# Altium PCB OFFICIAL_TX.PcbDoc (part 1 of 2) (continued)
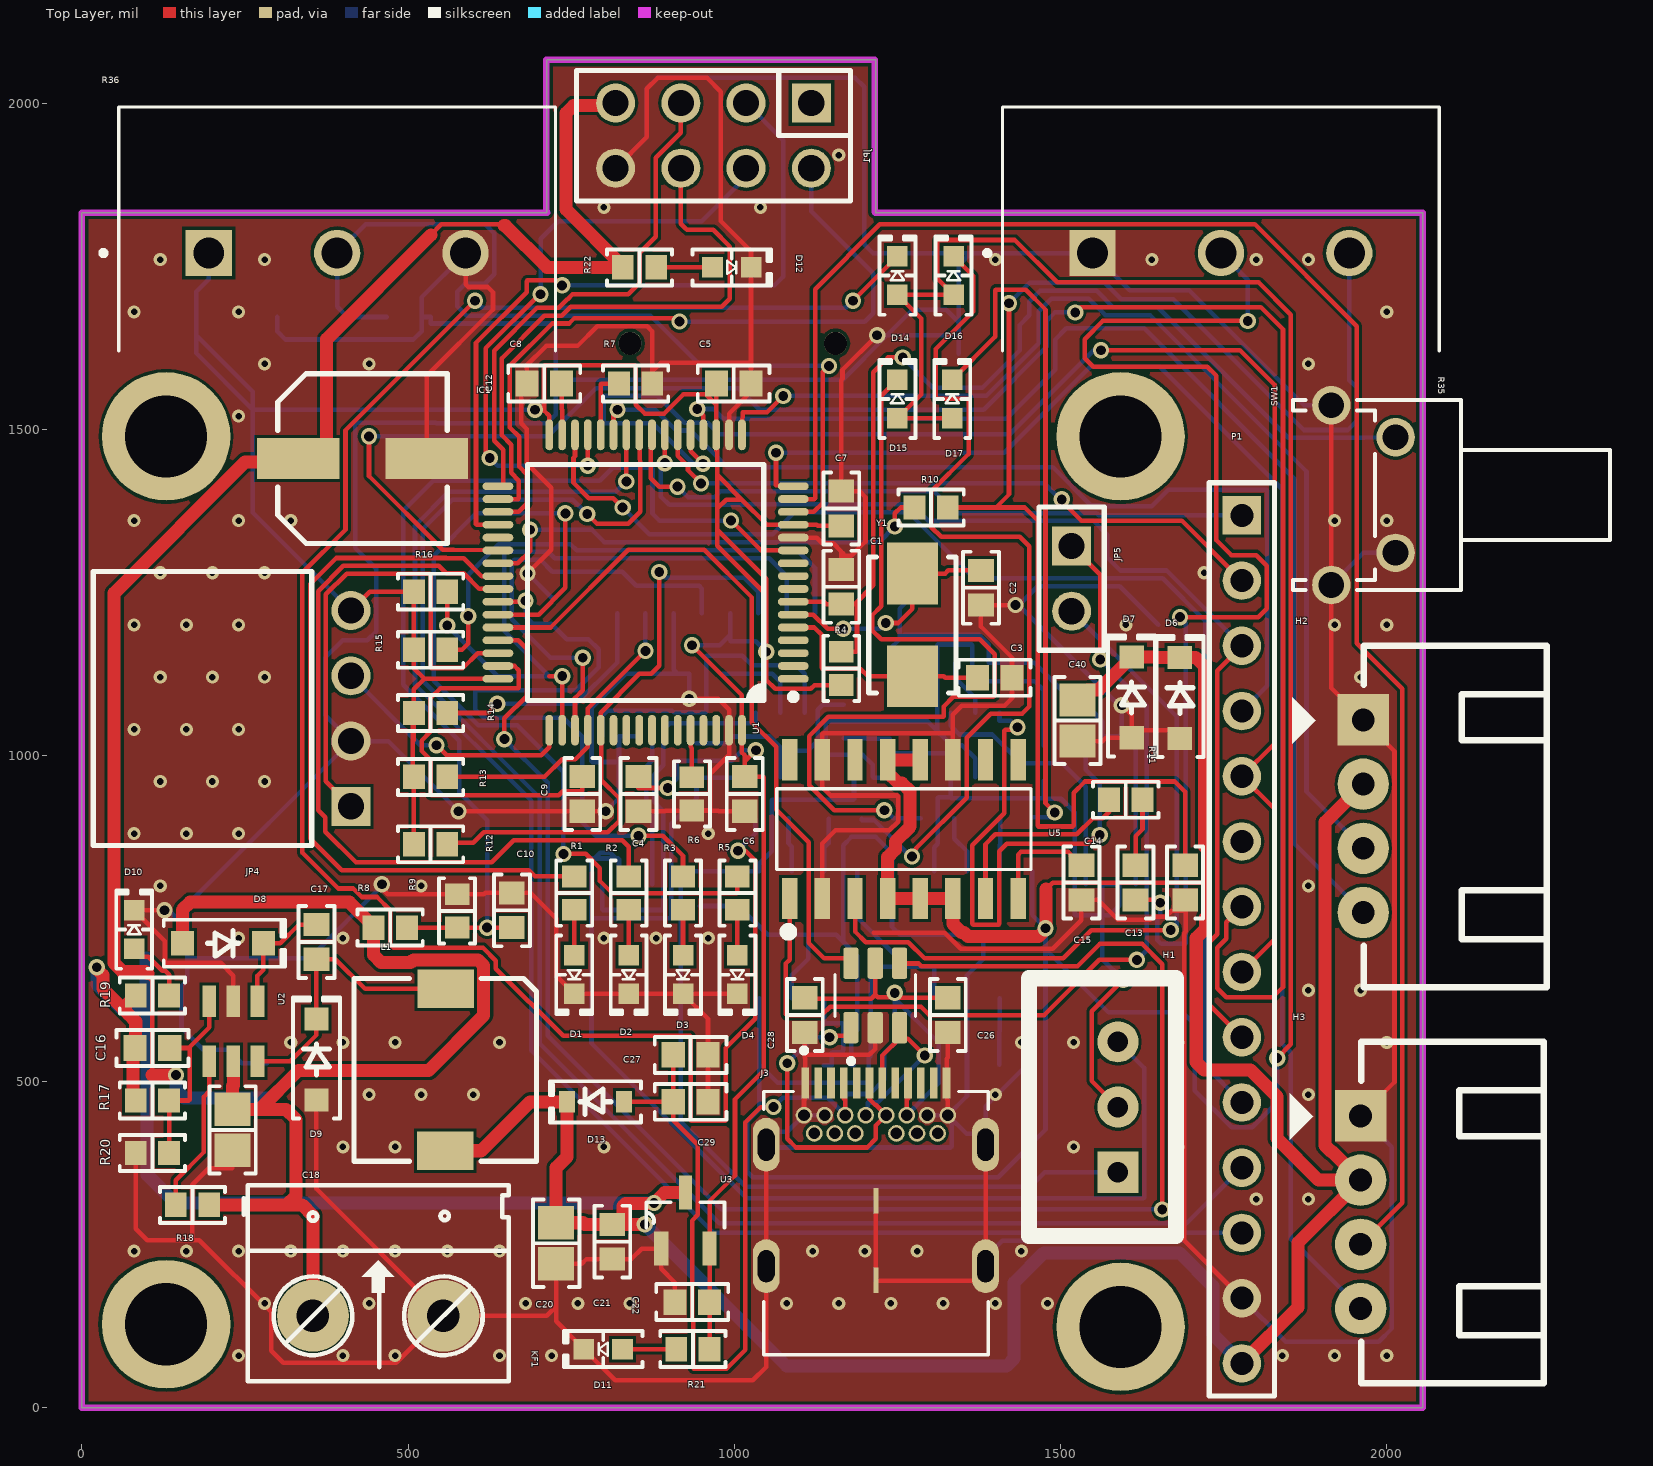
[diagram p0: Top Layer view]
## Part data (continued)
D11: library part VAOL-S6YP4, "LED YELLOW CLEAR 0603 SMD", Current - Test=10mA, Device Package="0603 (1608 Metric)", Lens Color=Colorless, Manufacturer="Visual Communications Company - VCC", Millicandela Rating=33mcd, Supplier Device Package=0603, Supplier Part Number 1=VAOL-S6YP4CT-ND, Voltage - Forward (Vf) (Typ)=1.9V, Color=Yellow, componentlink1description=Datasheet, componentlink1url=http://vcclite.com/_pdf/VAOL-S6YP4-LED-0603-yellow.pdf, componentlink2description="DigiKey Link", componentlink2url=http://digikey.com/product-detail/en/visual-communications-company-vcc/VAOL-S6YP4/VAOL-S6YP4CT-ND/5176154, Configuration=Standard, Height (Max)=0.60mm, lastupdated="6/3/2024 8:01:09 PM", Lens Size="1.20mm x 0.80mm", Lens Style="Rectangle with Flat Top", Lens Transparency=Clear, Lifecycle Status=Active, Minimum Order=1, Mounting Type="Surface Mount", Package / Case="0603 (1608 Metric)", packaging=TapeAndReel, Part Number=VAOL-S6YP4, Part Status=Active, partid=153, Price=0.09, series=-, Size / Dimension="1.60mm L x 0.80mm W", Supplier 1=DigiKey, Viewing Angle=120°, Wavelength - Dominant=591nm, Wavelength - Peak=591nm
D12: library part B18W1URO-20C000114U1930, "LED RED CLEAR 0603 SMD", Current - Test=20mA, Device Package="0603 (1608 Metric)", Lens Color=Colorless, Manufacturer="Harvatek Corporation", Millicandela Rating=360mcd, Supplier Device Package=0603, Supplier Part Number 1=3147-B18W1URO-20C000114U1930CT-ND, Voltage - Forward (Vf) (Typ)=2.1V, Color=Red, componentlink1description=Datasheet, componentlink1url=https://media.digikey.com/pdf/Data%20Sheets/Harvatek%20PDFs/B18W1URO-20C000114U1930.pdf, componentlink2description="DigiKey Link", componentlink2url=https://www.digikey.com/en/products/detail/harvatek-corporation/B18W1URO-20C000114U1930/16671735, Height (Max)=1.05mm, lastupdated="6/3/2024 7:59:44 PM", Lens Size="0.80mm Dia", Lens Style="Round with Flat Top", Lens Transparency=Clear, Lifecycle Status=Active, Minimum Order=1, Mounting Type="Surface Mount", Package / Case="0603 (1608 Metric)", packaging=TapeAndReel, Part Number=B18W1URO-20C000114U1930, Part Status=Active, partid=1174, Price=0.16, series=B18W1URO, Size / Dimension="1.60mm L x 0.80mm W", Supplier 1=DigiKey, Viewing Angle=55°, Wavelength - Dominant=630nm, Wavelength - Peak=639nm
D13: "DIODE SCHOTTKY 10V 3A SOD323", Current - Average Rectified (Io)=3A, Current - Reverse Leakage @ Vr="6 µA @ 10 V", Manufacturer=STMicroelectronics, Operating Temperature - Junction="150°C (Max)", Package / Case="SC-76, SOD-323", Supplier Device Package=SOD-323, Supplier Part Number 1=497-3707-1-ND, Voltage - DC Reverse (Vr) (Max)="10 V", Voltage - Forward (Vf) (Max) @ If="580 mV @ 1 A", componentlink1description=Datasheet, componentlink1url=http://www.st.com/content/ccc/resource/technical/document/datasheet/3d/d2/27/1d/20/e3/4d/48/CD00001944.pdf/files/CD00001944.pdf/jcr:content/translations/en.CD00001944.pdf, componentlink2description="DigiKey Link", componentlink2url=https://www.digikey.com/en/products/detail/stmicroelectronics/BAT60JFILM/686386, Diode Type=Schottky, lastupdated="6/3/2024 8:20:13 PM", Lifecycle Status=Active, Minimum Order=1, Mounting Type="Surface Mount", packaging=TapeAndReel, Part Number=BAT60JFILM, Part Status=Active, partid=3091, Price=0.04, series=-, Speed="Fast Recovery =< 500ns, > 200mA (Io)", Supplier 1=DigiKey
D14 D15: library part "LT Q39G-Q1OO-25-1", "LED GREEN DIFFUSED 0603 SMD", Current - Test=5mA, Device Package="0603 (1608 Metric)", Lens Color=White, Manufacturer="OSRAM Opto Semiconductors Inc.", Millicandela Rating=175.5mcd, Supplier Device Package=0603, Supplier Part Number 1=475-3442-1-ND, Voltage - Forward (Vf) (Typ)=2.85V, Color=Green, componentlink1description=Datasheet, componentlink1url=https://dammedia.osram.info/media/resource/hires/osram-dam-2493418/LT%20Q39G.pdf, componentlink2description="DigiKey Link", componentlink2url=https://www.digikey.com/en/products/detail/osram-opto-semiconductors-inc/LT-Q39G-Q1OO-25-1/2793416, Configuration=Standard, Height (Max)=0.40mm, lastupdated="6/3/2024 7:58:51 PM", Lens Size="1.10mm x 0.80mm", Lens Style="Rectangle with Flat Top", Lens Transparency=Diffused, Lifecycle Status=Active, Minimum Order=1, Mounting Type="Surface Mount", Package / Case="0603 (1608 Metric)", packaging=TapeAndReel, Part Number="LT Q39G-Q1OO-25-1", Part Status=Active, partid=689, Price=0.07, series="CHIPLED 0603", Size / Dimension="1.60mm L x 0.80mm W", Supplier 1=DigiKey, Viewing Angle="170°, 130°", Wavelength - Dominant=530nm, Wavelength - Peak=525nm
D16 D17: library part SML-D13U8WT86, "LED RED 0603 SMD", Current - Test=20mA, Device Package="0603 (1608 Metric)", Manufacturer="Rohm Semiconductor", Millicandela Rating=70mcd, Supplier Device Package=0603, Supplier Part Number 1=846-SML-D13U8WT86CT-ND, Voltage - Forward (Vf) (Typ)=2.2V, Color=Red, componentlink1description=Datasheet, componentlink1url=https://fscdn.rohm.com/en/products/databook/datasheet/opto/led/chip_mono/sml-d12x8_d13x8-e.pdf, componentlink2description="DigiKey Link", componentlink2url=https://www.digikey.com/en/products/detail/rohm-semiconductor/SML-D13U8WT86/16285870, Height (Max)=0.65mm, lastupdated="6/3/2024 7:59:44 PM", Lens Size="1.20mm x 0.80mm", Lens Style="Rectangle with Flat Top", Lifecycle Status=Active, Minimum Order=1, Mounting Type="Surface Mount", Package / Case="0603 (1608 Metric)", packaging=TapeAndReel, Part Number=SML-D13U8WT86, Part Status=Active, partid=1127, Price=0.10, series=SML-D12x8/D13x8, Size / Dimension="1.60mm L x 0.80mm W", Supplier 1=DigiKey, Wavelength - Dominant=620nm
H1 H2 H3 KF1: "Cắm", Chung_Loai=Cắm, Don_Vi=Con
  H1: Ma_Hang=MH001292, Ten_Linh_Kien="Header 3P XH2.54-3P Đực Thẳng"
  H2 H3: Ma_Hang=MH001310, Ten_Linh_Kien="Header 4P XH2.54-4P Đực Cong"
  KF1: Ma_Hang=MH000987, Ten_Linh_Kien="CON 2 KF301-2P 5.08MM Xanh Dương"
IC1: "IC MCU 32BIT 1MB FLASH 64LQFP", Device Package=64-LQFP, Manufacturer=STMicroelectronics, Operating Temperature="-40°C ~ 85°C (TA)", Supplier Device Package="64-LQFP (10x10)", Supplier Part Number 1=497-11767-ND, Voltage - Supply (Vcc/Vdd)="1.8V ~ 3.6V", componentlink1description=Datasheet, componentlink1url=http://www.st.com/content/ccc/resource/technical/document/datasheet/ef/92/76/6d/bb/c2/4f/f7/DM00037051.pdf/files/DM00037051.pdf/jcr:content/translations/en.DM00037051.pdf, componentlink2description="DigiKey Link", componentlink2url=//digikey.com/product-detail/en/stmicroelectronics/STM32F405RGT6/497-11767-ND/2754208, Connectivity="CANbus, I²C, IrDA, LINbus, SPI, UART/USART, USB OTG", Core Processor="ARM® Cortex®-M4", Core Size=32-Bit, Data Converters="A/D 16x12b; D/A 2x12b", lastupdated="12/5/2019 11:44:20 PM", Lifecycle Status=0, Minimum Order=1, Mounting Type="Surface Mount", Number of I/O=51, Oscillator Type=Internal, Package / Case=64-LQFP, packaging=Tray, Part Number=STM32F405RGT6, Part Status=Active, partid=115, Peripherals="Brown-out Detect/Reset, DMA, I²S, LCD, POR, PWM, WDT", Price=10.30, Program Memory Size="1MB (1M x 8)", Program Memory Type=FLASH, RAM Size="192K x 8", series=STM32F4, Speed=168MHz, Supplier 1=DigiKey
J3: "USB Type-C Connector", Package=None, Availability=Warning, DigiKey-Purchase-URL=https://snapeda.com/shop?store=DigiKey&id=4629247, MF="Stewart Connector", Mouser-Purchase-URL=https://snapeda.com/shop?store=Mouser&id=4629247, MP=SS-52400-002, Price=None, SnapEDA_Link=https://www.snapeda.com/parts/SS-52400-002/Stewart%20Connector/view-part/4629247/?ref=snap
JP1: library part "JP 2x4 2.54 Cai Thang", "Cắm", Chung_Loai=Cắm, Don_Vi=Con, Ma_Hang=MH008647, Ten_Linh_Kien="Jump Đôi Cái 2.54MM 2x20P Thẳng"
JP4: library part "JP 1x4 2.54 Cai Cong", "Cắm", Chung_Loai=Cắm, Don_Vi=Con, Ma_Hang=MH001265, Ten_Linh_Kien="Jump Đơn Cái 2.54MM 1x40P Cong"
JP5: library part "JP 1x2 2.54 Cai Thang", "Cắm", Chung_Loai=Cắm, Don_Vi=Con, Ma_Hang=MH004006, Ten_Linh_Kien="Jump Đơn Cái 2.54MM 1x20P Thẳng"
L1: library part SLF7032T-100M1R4-2PF, "FIXED IND 10UH 1.4A 63.6 MOHM", Current Rating (Amps)=1.4A, DC Resistance (DCR)="63.6mOhm Max", Device Package=Nonstandard, Inductance Frequency - Test=100kHz, Manufacturer="TDK Corporation", Operating Temperature="-40°C ~ 105°C", Supplier Part Number 1=445-1998-1-ND, Tolerance=±20%, componentlink1description=Datasheet, componentlink1url=//media.digikey.com/pdf/Data%20Sheets/TDK%20PDFs/SLF7032_Type.pdf, componentlink2description="DigiKey Link", componentlink2url=http://digikey.com/product-detail/en/tdk-corporation/SLF7032T-100M1R4-2PF/445-1998-1-ND/755405, Height - Seated (Max)="0.134\" (3.40mm)", Inductance=10µH, lastupdated="9/2/2020 1:30:24 AM", Lifecycle Status=Active, Material - Core=Ferrite, Minimum Order=1, Mounting Type="Surface Mount", Package / Case=Nonstandard, packaging=TapeAndReel, Part Number=SLF7032T-100M1R4-2PF, Part Status=Active, partid=3677, Price=0.43, series=SLF, Shielding=Shielded, Size / Dimension="0.276\" L x 0.276\" W (7.00mm x 7.00mm)", Supplier 1=DigiKey, Type=Wirewound
P1: "Header, 14-Pin", LatestRevisionDate=17-Jul-2002, LatestRevisionNote="Re-released for DXP Platform.", Publisher="Altium Limited"
P2: "Micro SD Card Socket", Package=None, Availability=Unavailable, MP=ST-TF-003A, Price=None
Q1 Q2: "N/A", Package=Package, Availability="Not in stock", Check_prices=https://www.snapeda.com/parts/FS8205A/Fortune+Semiconductor/view-part/?ref=eda, MF="Fortune Semiconductor", MP=FS8205A, Price=None, SnapEDA_Link=https://www.snapeda.com/parts/FS8205A/Fortune+Semiconductor/view-part/?ref=snap
R1 R2 R3 R5: library part RGT1608P-684-B-T5, "RES 680 KOHM 0.1% 1/16W 0603", Device Package="0603 (1608 Metric)", Manufacturer=Susumu, Operating Temperature="-55°C ~ 175°C", Power (Watts)="0.063W, 1/16W", Ratings=AEC-Q200, Supplier Device Package=0603, Supplier Part Number 1=408-RGT1608P-684-B-T5CT-ND, Temperature Coefficient=±25ppm/°C, Tolerance=±0.1%, componentlink1description=Datasheet, componentlink1url=https://www.susumu.co.jp/common/pdf/n_catalog_partition38_en.pdf, componentlink2description="DigiKey Link", componentlink2url=https://www.digikey.com/en/products/detail/susumu/RGT1608P-684-B-T5/9918331, Composition="Thin Film", Features="Anti-Sulfur, Automotive AEC-Q200", Height - Seated (Max)="0.022\" (0.55mm)", lastupdated="2/9/2024 8:40:32 PM", Lifecycle Status=Active, Minimum Order=1, Number of Terminations=2, Package / Case="0603 (1608 Metric)", packaging=TapeAndReel, Part Number=RGT1608P-684-B-T5, partid=82080, Price=0.12, Resistance="680 kOhms", series=RGT, Size / Dimension="0.063\" L x 0.031\" W (1.60mm x 0.80mm)", Supplier 1=DigiKey
R4: library part MCT06030E1003BP100, "RES SMD 100K OHM 0.1% 1/10W 0603", Device Package="0603 (1608 Metric)", Manufacturer="Vishay Beyschlag", Operating Temperature="-55°C ~ 125°C", Power (Watts)="0.1W, 1/10W", Supplier Device Package=0603, Supplier Part Number 1=749-MCT06030E1003BP100CT-ND, Temperature Coefficient=±15ppm/°C, Tolerance=±0.1%, componentlink1description=Datasheet, componentlink1url=http://www.vishay.com/docs/28700/mcx0x0xpre.pdf, componentlink2description="DigiKey Link", componentlink2url=http://digikey.com/product-detail/en/vishay-beyschlag/MCT06030E1003BP100/749-MCT06030E1003BP100CT-ND/10453897, Composition="Thin Film", Features=Anti-Sulfur, Height - Seated (Max)="0.022\" (0.55mm)", lastupdated="2/9/2024 8:43:09 PM", Lifecycle Status=Active, Minimum Order=1, Number of Terminations=2, Package / Case="0603 (1608 Metric)", packaging=TapeAndReel, Part Number=MCT06030E1003BP100, Part Status=Active, partid=11916, Price=0.26, Resistance="100 kOhms", series="MCT - Precision", Size / Dimension="0.061\" L x 0.033\" W (1.55mm x 0.85mm)", Supplier 1=DigiKey
R6 R7 R8: library part MCT0603MD1002DP500, "RES SMD 10K OHM 0.5% 0.15W 0603", Device Package="0603 (1608 Metric)", Manufacturer="Vishay Beyschlag", Operating Temperature="-55°C ~ 175°C", Power (Watts)=0.15W, Ratings=AEC-Q200, Supplier Device Package=0603, Supplier Part Number 1=MCT0603-10K-MDCT-ND, Temperature Coefficient=±25ppm/°C, Tolerance=±0.5%, componentlink1description=Datasheet, componentlink1url=http://www.vishay.com/docs/28760/mcat_pro.pdf, componentlink2description="DigiKey Link", componentlink2url=http://digikey.com/product-detail/en/vishay-beyschlag/MCT0603MD1002DP500/MCT0603-10K-MDCT-ND/2092127, Composition="Thin Film", Features="Anti-Sulfur, Automotive AEC-Q200", Height - Seated (Max)="0.022\" (0.55mm)", lastupdated="2/9/2024 8:42:58 PM", Lifecycle Status=Active, Minimum Order=1, Number of Terminations=2, Package / Case="0603 (1608 Metric)", packaging=TapeAndReel, Part Number=MCT0603MD1002DP500, Part Status=Active, partid=14581, Price=0.04, Resistance="10 kOhms", series="MCT AT - Professional", Size / Dimension="0.061\" L x 0.033\" W (1.55mm x 0.85mm)", Supplier 1=DigiKey
R9: library part RG1608P-203-B-T5, "RES SMD 20K OHM 0.1% 1/10W 0603", Device Package="0603 (1608 Metric)", Manufacturer=Susumu, Operating Temperature="-55°C ~ 155°C", Power (Watts)="0.1W, 1/10W", Ratings=AEC-Q200, Supplier Device Package=0603, Supplier Part Number 1=RG16P20.0KBCT-ND, Temperature Coefficient=±25ppm/°C, Tolerance=±0.1%, componentlink1description=Datasheet, componentlink1url=//media.digikey.com/pdf/Data%20Sheets/Susumu%20PDFs/RG_RM_RGH_Oct2012.pdf, componentlink2description="DigiKey Link", componentlink2url=https://www.digikey.com/en/products/detail/susumu/RG1608P-203-B-T5/1240507, Composition="Thin Film", Features="Anti-Sulfur, Automotive AEC-Q200", Height - Seated (Max)="0.020\" (0.50mm)", lastupdated="2/9/2024 8:43:15 PM", Lifecycle Status=Active, Minimum Order=1, Number of Terminations=2, Package / Case="0603 (1608 Metric)", packaging=TapeAndReel, Part Number=RG1608P-203-B-T5, Part Status=Active, partid=10176, Price=0.05, Resistance="20 kOhms", series=RG, Size / Dimension="0.063\" L x 0.031\" W (1.60mm x 0.80mm)", Supplier 1=DigiKey
R10: library part ERA-3ARB472V, "RES SMD 4.7K OHM 0.1% 1/10W 0603", Device Package="0603 (1608 Metric)", Manufacturer="Panasonic Electronic Components", Operating Temperature="-55°C ~ 155°C", Power (Watts)="0.1W, 1/10W", Ratings=AEC-Q200, Supplier Device Package=0603, Supplier Part Number 1=P4.7KBDCT-ND, Temperature Coefficient=±10ppm/°C, Tolerance=±0.1%, componentlink1description=Datasheet, componentlink1url=https://industrial.panasonic.com/cdbs/www-data/pdf/RDM0000/AOA0000C307.pdf, componentlink2description="DigiKey Link", componentlink2url=https://www.digikey.com/en/products/detail/panasonic-electronic-components/ERA-3ARB472V/3073667, Composition="Thin Film", Features="Automotive AEC-Q200", Height - Seated (Max)="0.022\" (0.55mm)", lastupdated="2/9/2024 8:42:34 PM", Lifecycle Status=Active, Minimum Order=1, Number of Terminations=2, Package / Case="0603 (1608 Metric)", packaging=TapeAndReel, Part Number=ERA-3ARB472V, Part Status=Active, partid=20792, Price=0.15, Resistance="4.7 kOhms", series=ERA-3A, Size / Dimension="0.063\" L x 0.031\" W (1.60mm x 0.80mm)", Supplier 1=DigiKey
R11: library part MCT06030E1002BP100, "RES SMD 10K OHM 0.1% 1/10W 0603", Device Package="0603 (1608 Metric)", Manufacturer="Vishay Beyschlag", Operating Temperature="-55°C ~ 125°C", Power (Watts)="0.1W, 1/10W", Supplier Device Package=0603, Supplier Part Number 1=749-1718-1-ND, Temperature Coefficient=±15ppm/°C, Tolerance=±0.1%, componentlink1description=Datasheet, componentlink1url=http://www.vishay.com/docs/28700/mcx0x0xpre.pdf, componentlink2description="DigiKey Link", componentlink2url=http://digikey.com/product-detail/en/vishay-beyschlag/MCT06030E1002BP100/749-1718-1-ND/7348026, Composition="Thin Film", Features=Anti-Sulfur, Height - Seated (Max)="0.022\" (0.55mm)", lastupdated="2/9/2024 8:42:57 PM", Lifecycle Status=Active, Minimum Order=1, Number of Terminations=2, Package / Case="0603 (1608 Metric)", packaging=TapeAndReel, Part Number=MCT06030E1002BP100, Part Status=Active, partid=15019, Price=0.26, Resistance="10 kOhms", series="MCT - Precision", Size / Dimension="0.061\" L x 0.033\" W (1.55mm x 0.85mm)", Supplier 1=DigiKey
R12 R13 R14 R15 R16: library part URG1608L-472-L-T05, "RES SMD 4.7KOHM 0.01% 1/16W 0603", Device Package="0603 (1608 Metric)", Manufacturer=Susumu, Operating Temperature="-55°C ~ 155°C", Power (Watts)="0.063W, 1/16W", Ratings=AEC-Q200, Supplier Device Package=0603, Supplier Part Number 1=408-1772-1-ND, Temperature Coefficient=±2ppm/°C, Tolerance=±0.01%, componentlink1description=Datasheet, componentlink1url=http://www.susumu.co.jp/common/pdf/n_catalog_partition03_en.pdf, componentlink2description="DigiKey Link", componentlink2url=https://www.digikey.com/en/products/detail/susumu/URG1608L-472-L-T05/4552652, Composition="Thin Film", Features="Anti-Sulfur, Automotive AEC-Q200", Height - Seated (Max)="0.022\" (0.55mm)", lastupdated="2/9/2024 8:43:04 PM", Lifecycle Status=Active, Minimum Order=1, Number of Terminations=2, Package / Case="0603 (1608 Metric)", packaging=TapeAndReel, Part Number=URG1608L-472-L-T05, Part Status=Active, partid=13142, Price=4.24, Resistance="4.7 kOhms", series=URG, Size / Dimension="0.063\" L x 0.031\" W (1.60mm x 0.80mm)", Supplier 1=DigiKey
R17: library part RMEF0603FT52K3, "RES 52.3K OHM 1% 1/10W 0603", Device Package="0603 (1608 Metric)", Manufacturer="Stackpole Electronics Inc", Operating Temperature="-55°C ~ 155°C", Power (Watts)="0.1W, 1/10W", Ratings="7C1 RoHS w/out Exemption (100% Pb-Free), AEC-Q200", Supplier Device Package=0603, Supplier Part Number 1=738-RMEF0603FT52K3CT-ND, Temperature Coefficient=±100ppm/°C, Tolerance=±1%, componentlink1description=Datasheet, componentlink1url=https://www.seielect.com/Catalog/SEI-RMEF.pdf, componentlink2description="DigiKey Link", componentlink2url=https://www.digikey.com/en/products/detail/stackpole-electronics-inc/RMEF0603FT52K3/16839815, Composition="Thick Film", Features="Automotive AEC-Q200", Height - Seated (Max)="0.020\" (0.50mm)", lastupdated="2/9/2024 8:41:04 PM", Lifecycle Status=Active, Minimum Order=1, Number of Terminations=2, Package / Case="0603 (1608 Metric)", packaging=TapeAndReel, Part Number=RMEF0603FT52K3, Part Status=Active, partid=69499, Price=0.01, Resistance="52.3 kOhms", series=RMEF, Size / Dimension="0.063\" L x 0.031\" W (1.60mm x 0.80mm)", Supplier 1=DigiKey
R18: library part TNPW0603100KBXEN, "RES 100K OHM 0.1% 1/10W 0603", Device Package="0603 (1608 Metric)", Manufacturer="Vishay Dale", Operating Temperature="-55°C ~ 155°C", Power (Watts)="0.1W, 1/10W", Ratings=AEC-Q200, Supplier Device Package=0603, Supplier Part Number 1=541-1721-1-ND, Temperature Coefficient=±15ppm/°C, Tolerance=±0.1%, componentlink1description=Datasheet, componentlink1url=http://www.vishay.com/docs/28758/tnpw_e3.pdf, componentlink2description="DigiKey Link", componentlink2url=https://www.digikey.com/en/products/detail/vishay-dale/TNPW0603100KBXEN/4155839, Composition="Thin Film", Features="Anti-Sulfur, Automotive AEC-Q200, Moisture Resistant", Height - Seated (Max)="0.022\" (0.55mm)", lastupdated="2/9/2024 8:42:03 PM", Lifecycle Status=Active, Minimum Order=1, Number of Terminations=2, Package / Case="0603 (1608 Metric)", packaging=TapeAndReel, Part Number=TNPW0603100KBXEN, Part Status=Active, partid=25339, Price=0.31, Resistance="100 kOhms", series="TNPW e3", Size / Dimension="0.063\" L x 0.033\" W (1.60mm x 0.85mm)", Supplier 1=DigiKey
R19: library part RG1608V-102-B-T5, "RES SMD 1K OHM 0.1% 1/10W 0603", Device Package="0603 (1608 Metric)", Manufacturer=Susumu, Operating Temperature="-55°C ~ 155°C", Power (Watts)="0.1W, 1/10W", Ratings=AEC-Q200, Supplier Device Package=0603, Supplier Part Number 1=408-RG1608V-102-B-T5CT-ND, Temperature Coefficient=±5ppm/°C, Tolerance=±0.1%, componentlink1description=Datasheet, componentlink1url=https://www.susumu.co.jp/common/pdf/n_catalog_partition01_en.pdf, componentlink2description="DigiKey Link", componentlink2url=https://www.digikey.com/en/products/detail/susumu/RG1608V-102-B-T5/1258937, Composition="Thin Film", Features="Anti-Sulfur, Automotive AEC-Q200", Height - Seated (Max)="0.020\" (0.50mm)", lastupdated="2/9/2024 8:40:32 PM", Lifecycle Status=Active, Minimum Order=1, Number of Terminations=2, Package / Case="0603 (1608 Metric)", packaging=TapeAndReel, Part Number=RG1608V-102-B-T5, partid=82062, Price=0.78, Resistance="1 kOhms", series=RG, Size / Dimension="0.063\" L x 0.031\" W (1.60mm x 0.80mm)", Supplier 1=DigiKey
R20: library part CPF-A-0603B10KE1, "RES SMD 10K OHM 0.1% 1/16W 0603", Device Package="0603 (1608 Metric)", Manufacturer="TE Connectivity Passive Product", Operating Temperature="-55°C ~ 155°C", Power (Watts)="0.063W, 1/16W", Ratings=AEC-Q200, Supplier Device Package=0603, Supplier Part Number 1=1712-CPF-A-0603B10KE1CT-ND, Temperature Coefficient=±25ppm/°C, Tolerance=±0.1%, componentlink1description=Datasheet, componentlink1url=https://www.te.com/commerce/DocumentDelivery/DDEController?Action=srchrtrv&DocNm=1773200-1&DocType=DS&DocLang=English, componentlink2description="DigiKey Link", componentlink2url=https://www.digikey.com/en/products/detail/te-connectivity-passive-product/CPF-A-0603B10KE1/5586834, Composition="Thin Film", Features="Anti-Sulfur, Automotive AEC-Q200, Moisture Resistant", Height - Seated (Max)="0.022\" (0.55mm)", lastupdated="2/9/2024 8:40:47 PM", Lifecycle Status=Active, Minimum Order=1, Number of Terminations=2, Package / Case="0603 (1608 Metric)", packaging=TapeAndReel, Part Number=CPF-A-0603B10KE1, Part Status=Active, partid=75468, Price=0.12, Resistance="10 kOhms", series="CPF-A, Neohm", Size / Dimension="0.061\" L x 0.031\" W (1.55mm x 0.80mm)", Supplier 1=DigiKey
R21 R22: library part CPF-A-0603B680RE, "RES SMD 680 OHM 0.1% 1/16W 0603", Device Package="0603 (1608 Metric)", Manufacturer="TE Connectivity Passive Product", Operating Temperature="-55°C ~ 155°C", Power (Watts)="0.063W, 1/16W", Ratings=AEC-Q200, Supplier Device Package=0603, Supplier Part Number 1=1712-CPF-A-0603B680RECT-ND, Temperature Coefficient=±25ppm/°C, Tolerance=±0.1%, componentlink1description=Datasheet, componentlink1url=https://www.te.com/commerce/DocumentDelivery/DDEController?Action=srchrtrv&DocNm=1773200-1&DocType=DS&DocLang=English, componentlink2description="DigiKey Link", componentlink2url=https://www.digikey.com/en/products/detail/te-connectivity-passive-product/CPF-A-0603B680RE/5583848, Composition="Thin Film", Features="Anti-Sulfur, Automotive AEC-Q200, Moisture Resistant", Height - Seated (Max)="0.022\" (0.55mm)", lastupdated="2/9/2024 8:42:04 PM", Lifecycle Status=Active, Minimum Order=1, Number of Terminations=2, Package / Case="0603 (1608 Metric)", packaging=TapeAndReel, Part Number=CPF-A-0603B680RE, Part Status=Active, partid=25303, Price=0.09, Resistance="680 Ohms", series="CPF-A, Neohm", Size / Dimension="0.061\" L x 0.031\" W (1.55mm x 0.80mm)", Supplier 1=DigiKey
R23: library part ERJ-2RKF1201X, "RES SMD 1.2K OHM 1% 1/10W 0402", Device Package="0402 (1005 Metric)", Manufacturer="Panasonic Electronic Components", Operating Temperature="-55°C ~ 155°C", Power (Watts)="0.1W, 1/10W", Ratings=AEC-Q200, Supplier Device Package=0402, Supplier Part Number 1=P1.20KLCT-ND, Temperature Coefficient=±100ppm/°C, Tolerance=±1%, componentlink1description=Datasheet, componentlink1url=https://industrial.panasonic.com/cdbs/www-data/pdf/RDA0000/AOA0000C304.pdf, componentlink2description="DigiKey Link", componentlink2url=https://www.digikey.com/en/products/detail/panasonic-electronic-components/ERJ-2RKF1201X/1746119, Composition="Thick Film", Features="Automotive AEC-Q200", Height - Seated (Max)="0.016\" (0.40mm)", lastupdated="2/9/2024 8:30:04 PM", Lifecycle Status=Active, Minimum Order=1, Number of Terminations=2, Package / Case="0402 (1005 Metric)", packaging=CutTape, Part Number=ERJ-2RKF1201X, Part Status=Active, partid=7242, Price=0.01, Resistance="1.2 kOhms", series=ERJ-2RK, Size / Dimension="0.039\" L x 0.020\" W (1.00mm x 0.50mm)", Supplier 1=DigiKey
R24: library part MCS04020C1201FE000, "RES SMD 1.2K OHM 1% 1/10W 0402", Device Package="0402 (1005 Metric)", Manufacturer="Vishay Beyschlag", Operating Temperature="-55°C ~ 155°C", Power (Watts)="0.1W, 1/10W", Supplier Device Package=0402, Supplier Part Number 1=749-MCS04020C1201FE000CT-ND, Temperature Coefficient=±50ppm/°C, Tolerance=±1%, componentlink1description=Datasheet, componentlink1url=http://www.vishay.com/docs/28705/mcx0x0xpro.pdf, componentlink2description="DigiKey Link", componentlink2url=http://digikey.com/product-detail/en/vishay-beyschlag/MCS04020C1201FE000/749-MCS04020C1201FE000CT-ND/10453885, Composition="Thin Film", Features=Anti-Sulfur, Height - Seated (Max)="0.015\" (0.37mm)", lastupdated="2/9/2024 8:30:06 PM", Lifecycle Status=Active, Minimum Order=1, Number of Terminations=2, Package / Case="0402 (1005 Metric)", packaging=TapeAndReel, Part Number=MCS04020C1201FE000, Part Status=Active, partid=6712, Price=0.03, Resistance="1.2 kOhms", series="MCS - Professional", Size / Dimension="0.039\" L x 0.020\" W (1.00mm x 0.50mm)", Supplier 1=DigiKey
R25 R26 R29 R30 R31 R32: library part M55342E12B1B00RWS, "RES SMD 1K OHM 0.1% 1/10W 0603", Device Package="0603 (1608 Metric)", Manufacturer="Vishay Dale Thin Film", Operating Temperature="-55°C ~ 150°C", Power (Watts)="0.1W, 1/10W", Supplier Device Package=0603, Supplier Part Number 1=764-M55342E12B1B00RWS-ND, Temperature Coefficient=±25ppm/°C, Tolerance=±0.1%, componentlink1description=Datasheet, componentlink1url=https://www.vishay.com/docs/60018/eh.pdf, componentlink2description="DigiKey Link", componentlink2url=https://www.digikey.com/en/products/detail/vishay-dale-thin-film/M55342E12B1B00RWS/3578912, Composition="Thin Film", Failure Rate="R (0.01%)", Features="Military, Non-Inductive", Height - Seated (Max)="0.033\" (0.84mm)", lastupdated="2/9/2024 8:40:47 PM", Lifecycle Status=Active, Minimum Order=1, Number of Terminations=2, Package / Case="0603 (1608 Metric)", packaging=Tray, Part Number=M55342E12B1B00RWS, Part Status=Active, partid=75435, Price=8.97, Resistance="1 kOhms", series="Military, MIL-PRF-55342, RM0603", Size / Dimension="0.064\" L x 0.032\" W (1.63mm x 0.81mm)", Supplier 1=DigiKey
R27 R28: library part ERJ-PA3F1100V, "RES SMD 110 OHM 1% 1/3W 0603", Device Package="0603 (1608 Metric)", Manufacturer="Panasonic Electronic Components", Operating Temperature="-55°C ~ 155°C", Power (Watts)="0.333W, 1/3W", Ratings=AEC-Q200, Supplier Device Package=0603, Supplier Part Number 1=P110BYCT-ND, Temperature Coefficient=±100ppm/°C, Tolerance=±1%, componentlink1description=Datasheet, componentlink1url=https://industrial.panasonic.com/cdbs/www-data/pdf/RDO0000/AOA0000C331.pdf, componentlink2description="DigiKey Link", componentlink2url=https://www.digikey.com/en/products/detail/panasonic-electronic-components/ERJ-PA3F1100V/5035853, Composition="Thick Film", Features="Automotive AEC-Q200, Pulse Withstanding", Height - Seated (Max)="0.022\" (0.55mm)", lastupdated="2/9/2024 8:43:28 PM", Lifecycle Status=Active, Minimum Order=1, Number of Terminations=2, Package / Case="0603 (1608 Metric)", packaging=TapeAndReel, Part Number=ERJ-PA3F1100V, Part Status=Active, partid=7062, Price=0.01, Resistance="110 Ohms", series=ERJ-PA3, Size / Dimension="0.063\" L x 0.031\" W (1.60mm x 0.80mm)", Supplier 1=DigiKey
R35 R36: Package=None, Availability=Unavailable, MF="{'manufacturer': u'CUI Devices'}", MP=PTN16-A10115K1B1, Price=None
SW1: "WS-TATU THT Tact Switch 6x6mm Right Angled Type with ground terminal, SPST-NO, 12VDC, 50mA, 160g", Manufacturer="Wurth Elektronik", Operating Temperature Max=85°C, Operating Temperature Min=-40°C, Rated Current=50mA, Rated Voltage=12VDC, Category="Tact Switches", Circuit=SPST-NO, componentlink1description="Website Link", componentlink1url=https://www.we-online.com/redexpert/article/431256083716?ad, componentlink2description="Datasheet Link", componentlink2url=https://www.we-online.com/redexpert/spec/431256083716?ad, Contact Material="Stainless Steel", Contact Plating=Silver, Height=8.35mm, Length=6mm, Manufacturer Part Number=431256083716, Match Code=WS-TATU, Mount="Through Hole", Operation Force=160g, packaging=Bulk, Terminal Material="Copper Alloy", Terminal Plating=Silver, Washable=No, Width=6mm
U1: "Amplifier IC 2-Channel _Stereo_ Class D 16-SOP", Package="SOP-16 Diodes Inc.", Availability=Unavailable, MF="Diodes Inc.", MP=PAM8403DR, Price=None, SnapEDA_Link=https://www.snapeda.com/parts/PAM8403DR/Diodes%20Inc./view-part/108087/?ref=snap
U2: "Buck Switching Regulator IC Positive Adjustable 0.8V 1 Output 1A SOT-23-6 Thin, TSOT-23-6", Package="SOT-23 Texas Instruments", Availability=Unavailable, MF="Texas Instruments", MP=LM2734YMK, Price=None, SnapEDA_Link=https://www.snapeda.com/parts/LM2734YMK/Texas%20Instruments/view-part/105783/?ref=snap
U3 U4: "Linear Voltage Regulator IC 1 Output 250mA SOT-23-3", Package="SOT-23-3 Microchip", Availability=Unavailable, MF=Microchip, MP=MCP1700T-3302E/TT, Price=None, SnapEDA_Link=https://www.snapeda.com/parts/MCP1700T-3302E/TT/Microchip/view-part/50877/?ref=snap
U5: "17V Clamp 5A (8/20Âµs) Ipp Tvs Diode Surface Mount SOT-23-6", Package="SOT-23-6 STMicroelectronics", Check_prices=https://www.snapeda.com/parts/USBLC6-2SC6/STMicroelectronics/view-part/?ref=eda, MF=STMicroelectronics, MP=USBLC6-2SC6, SnapEDA_Link=https://www.snapeda.com/parts/USBLC6-2SC6/STMicroelectronics/view-part/?ref=snap
U6 U7: "Complete single cell Li-Ion battery with a constant current / constant voltage linear charger", Package=Package, Availability="Not in stock", Check_prices=https://www.snapeda.com/parts/TP4056/NanJing+Top+Power+ASIC+Corp./view-part/?ref=eda, MF="NanJing Top Power ASIC Corp.", MP=TP4056, Price=None, SnapEDA_Link=https://www.snapeda.com/parts/TP4056/NanJing+Top+Power+ASIC+Corp./view-part/?ref=snap
U8 U9: "One Cell Lithium-ion/Polymer Battery Protection IC", Package="SOT-23-6 Fortune Semiconductor", Check_prices=https://www.snapeda.com/parts/DW01A/Fortune+Semiconductor/view-part/?ref=eda, MF="Fortune Semiconductor", MP=DW01A, SnapEDA_Link=https://www.snapeda.com/parts/DW01A/Fortune+Semiconductor/view-part/?ref=snap
Y1: library part NX5032GA-8.000M-STD-CSU-1, "CRYSTAL 8.0000MHZ 8PF SMD", ESR (Equivalent Series Resistance)="300 Ohms", Frequency Stability=±150ppm, Frequency Tolerance=±50ppm, Load Capacitance=8pF, Manufacturer="NDK America, Inc.", Operating Mode=Fundamental, Operating Temperature="-40°C ~ 150°C", Package / Case="2-SMD, No Lead", Ratings=AEC-Q200, Supplier Part Number 1=644-1132-1-ND, componentlink1description=Datasheet, componentlink1url=//media.digikey.com/pdf/Data%20Sheets/NDK%20PDFs/NX5032GA_STD-CSU-1,-2.pdf, componentlink2description="DigiKey Link", componentlink2url=https://www.digikey.com/en/products/detail/ndk-america-inc/NX5032GA-8-000M-STD-CSU-1/1788472, Frequency="8 MHz", Height - Seated (Max)="0.059\" (1.50mm)", lastupdated="6/3/2024 8:02:22 PM", Lifecycle Status=Active, Minimum Order=1, Mounting Type="Surface Mount", packaging=TapeAndReel, Part Number=NX5032GA-8.000M-STD-CSU-1, Part Status=Active, partid=627, Price=0.32, series=NX5032GA, Size / Dimension="0.197\" L x 0.126\" W (5.00mm x 3.20mm)", Supplier 1=DigiKey, Type="MHz Crystal"

## Free pads (board coordinates)
  round 196.85 hole 125.98: 8(129,128) 8(129,1489) 8(1592,124) 8(1592,1489)

## Via types
v1: diameter 20, hole 10, Top Layer to Bottom Layer, 106 vias
v2: diameter 25, hole 15, Top Layer to Bottom Layer, 84 vias

## Nets (pads, with @x,y where several pads share a name; then routed paths per layer and width w, separated by ;. In a path a pad name is that pad's centre, name@x,y a point inside that pad or via, vN(x,y) a via of type N, cw(c..) or ccw(c..) an arc to the next point about the centre after c; other vN are vias at no path point)
+5: C16.2 C20.2 C21.2 C23.2 C24.2 C40.2 D6.2 D7.2 D13.2 D14.1 D15.1 D16.1 D17.1 H2.2 H3.2 L1.2 P1.14 R17.2 R19.2 U1.4 U1.5 U1.6 U1.12 U1.13 U3.3 U4.3 U6.4 U6.8 U7.4 U7.8 | length 11237.4
  Top Layer w7: D17.1@1334,1517 D15.1@1250,1517 1286.25,1553.25 1286.25,1669.75 D14.1@1250,1706 D16.1@1336,1706 1311,1731 1311,1789 1312,1790 1430,1790 1495,1725 1803.5,1725 1853,1675.5 1853,557 v2(1832,536) ; 1478,795 1488,805 1723.19,805
  Top Layer w10: 1720,1137.01 1723.19,1133.82
  Top Layer w15: 1720,732.03 1720,752.35 1723.19,755.53 1723.19,805 1723.19,854.47 1721,856.65 1721,860.19
  Top Layer w20: v2(22.5,675.14) 22.5,673.79 24.25,672.03 24.25,671.16 32,663.41 32,642.39 62.4,611.99 ; R17.2@82.41,471.04 78,475.45 78,548.1 C16.2@81.42,551.52 82.41,591.98 71.39,603 62.4,611.99 ; R19.2@82.41,632 62.4,611.99 ; L1.2@556.51,393.98 612,393.98 687.02,469 D13.2@743.2,469 743.2,384.26 726.94,368 C20.2@726.94,283.61 768,283.61 770.48,281.13 C21.2@812.94,281.13 C21.2@827.13,281.13 ; v2(862.81,281.13) C21.2@827.13,281.13 ; U3.3@925,330 892.87,330 v2(876.87,314) 876.04,313.17 833.23,313.17 829.13,309.07 829.13,283.13 C21.2@827.13,281.13 ; U1.12@1285,993.3 U1.13@1235,993.3 1235,973.61 1250.95,957.66 1257,957.66 1269.5,945.16 1269.5,890.84 1247,868.34 1247,856.07 1235,844.07 U1.4@1235,780.7 U1.5@1285,780.7 U1.6@1335,780.7 1335,741.7 1348,728.7 1351.82,728.7 1358.32,722.2 1466.28,722.2 1478,733.92 1478,795 ; C40.2@1526,1084.99 1541.59,1100.58 1558.57,1100.58 1600.3,1142.31 1600.3,1143.29 1608.02,1151.01 1645,1151.01 1646,1150.01 D6.2@1683,1150.01 1707,1150.01 1720,1137.01 ; 1720,732.03 1708,720.03 1708,529.72 1719.72,518 1791,518 1832,477 1832,412.5 1895.5,349 H3.2@1960,349 ; 1721,860.19 1721,1136.01 ; P1.14@1778,68 1864,154 1864,253 H3.2@1960,349 ; H2.2@1964,956 1905.63,897.63 1905.63,401.84 1914.42,393.06 1915.94,393.06 H3.2@1960,349
  Bottom Layer w7: U6.4@1038.09,627.43 1038.09,526.07 ; U6.8@1188.09,822.31 1188.09,751.91 1264,676 ; U7.4@1306.58,627.43 1306.58,675 1264,676 ; U7.8@1456.58,822.31 1456.58,755.42 v2(1477,735) 1477,702.58 ; v2(1832,536) 1832,468.22 1793.75,429.97 1762.25,429.97 1706,486.22 1706,587.5 1687.5,606 1573.58,606 1477,702.58 ; 1038.09,526.07 1066.16,498 1201.8,498 1205.9,502.1 1205.9,536.28 1209,539.38 1209,662.5 1222.5,676 1264,676 ; 1038.09,526.07 1038.09,457.38 1019.72,439.02 1019.72,361.64 1027.98,353.38 1404.38,353.38 1477,426 1477,702.58
  Bottom Layer w20: v2(22.5,675.14) 23.46,674.18 23.46,648.54 59,613 C24.2@99.43,613 ; C23.2@98.5,689.04 98.5,650.92 99.43,650 C24.2@99.43,613 ; v2(862.81,281.13) 1079.94,64 1417.28,64 1429,75.72 1429,192 1474.43,237.43 1682.41,237.43 1733.47,186.36 1733.47,112.53 P1.14@1778,68 ; v2(876.87,314) 143,314 100,357 U4.3@100,512 99.43,512 C24.2@99.43,613
+5_USB_A: C26.2 C27.2 C28.2 C29.2 D13.1 J3.A4 J3.A9 J3.B4 J3.B9 U5.5 | length 2068.3
  Top Layer w7: D13.1@830.8,469 C29.2@906.43,469 ; C27.2@906.43,541 C29.2@906.43,469 ; v2(1060,461) 1040.5,461 1017,437.5 1017,89 988,60 937.77,60 936.77,61 936.77,134 935.35,135.41 935.35,287 944,295.65 944,403 906.43,440.57 C29.2@906.43,469 ; C28.2@1108,628.57 1109.57,627 1209.9,627 1216,633.1 ; J3.A4@1167.79,497.71 1167.79,473.97 1169.76,472 J3.B9@1169.76,448.5 ; U5.5@1216,681.41 1216,633.1 ; J3.B4@1264.24,448.5 1264.24,472 1266.21,473.97 J3.A9@1266.21,497.71 ; C26.2@1327.24,628.57 v2@1253.43,628.57 ; 1216,633.1 1220.1,629 1239,629 v2@1241.5,631.5 ; v2@1241.5,631.5 1244.43,628.57 v2@1253.43,628.57 ; v2@1241.5,631.5 1237,636 v2(1246,636) ; v2@1241.5,631.5 v2(1246,636) ; v2(1246,636) v2@1253.43,628.57
  Bottom Layer w7: v2(1060,461) 1074,475 1143.25,475 J3.B9@1169.76,448.5 1169.76,476.9 1173.86,481 1208,481 1230,503 1230,543.41 1246,559.41 v2@1246,627 ; v2(1246,636) v2@1246,627 ; J3.B4@1264.24,448.5 1313,497.25 1313,560 v2@1246,627
  other v2: 1246,636